# KiCad board PC110.kicad_pcb (continued)
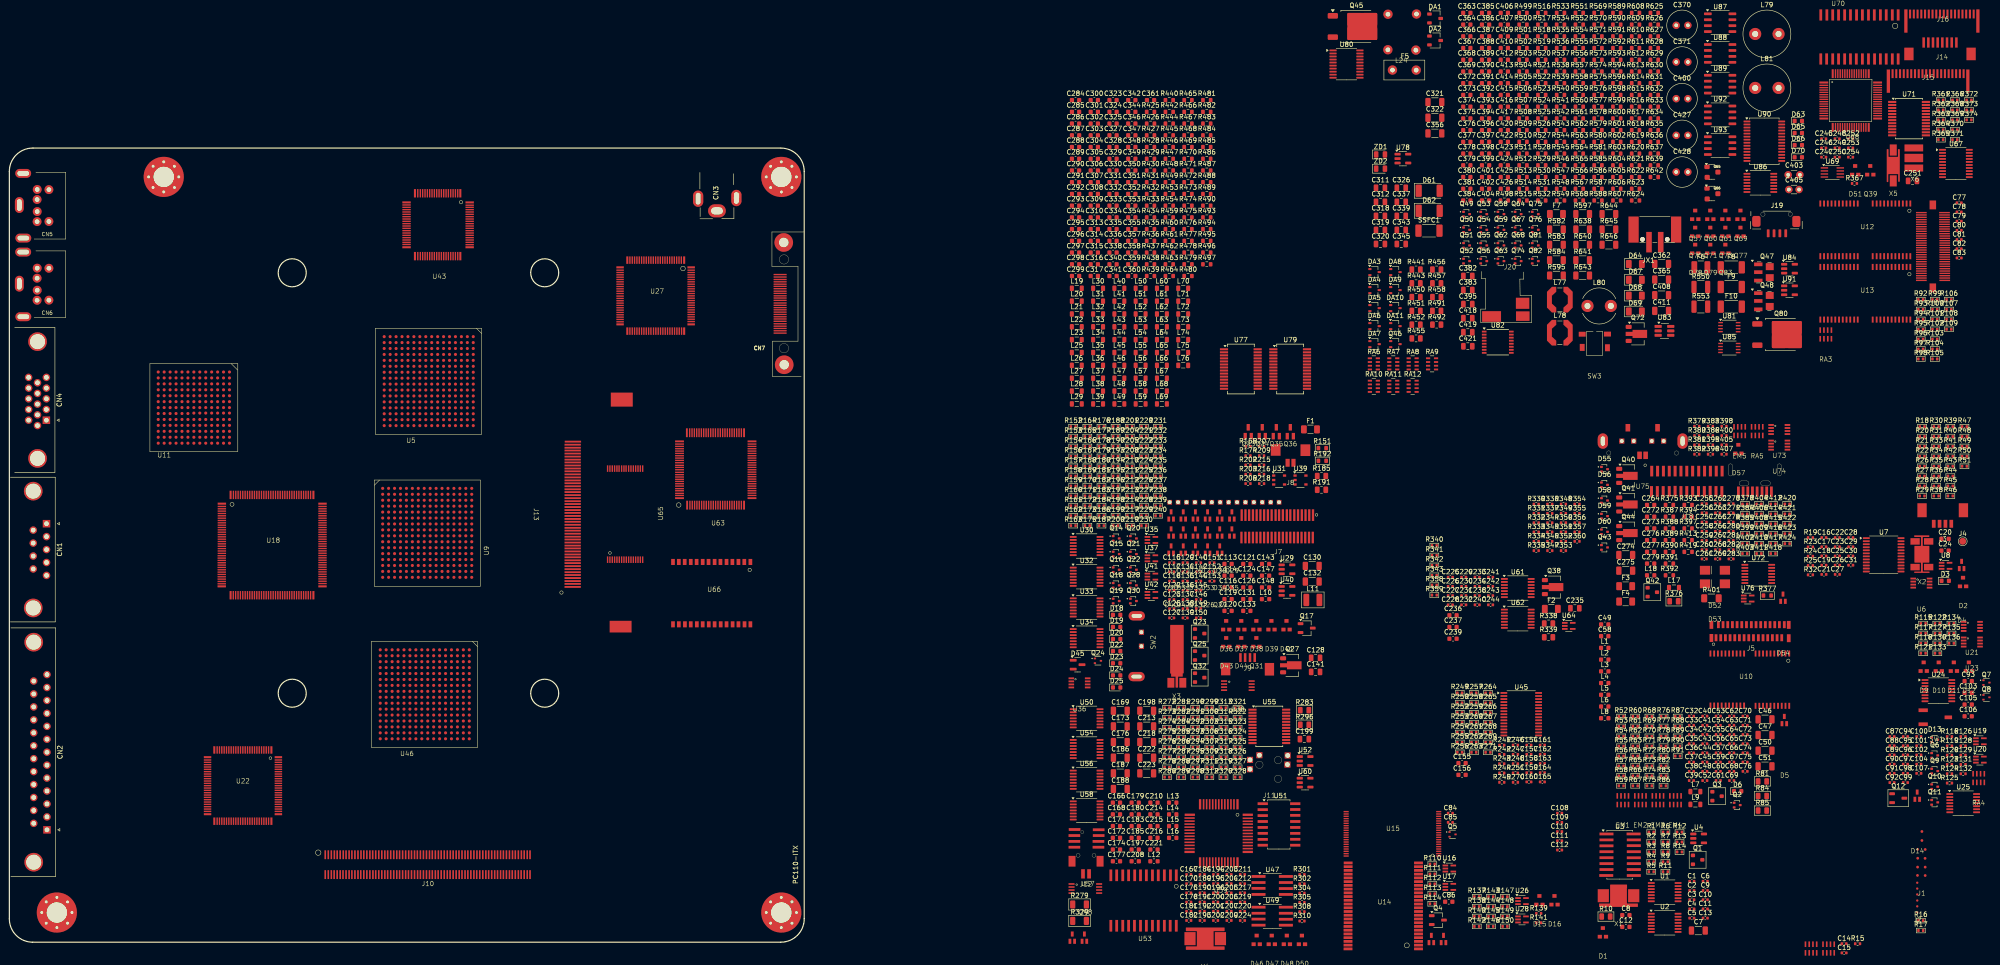
[diagram p0: board, top side]
## Footprints (pads in the part's own frame, mm; a bottom-side part is the same pattern mirrored in y, then rotated) (continued)
Pluto
  rect 0.45x1.6 smd: 1(6.1,7.15) 25(-6.1,7.15) 51(-6.1,-8.1) 75(6.1,-8.1)
  rect 0.3x1.6 smd: 2(5.5,7.15) 3(5,7.15) 4(4.5,7.15) 5(4,7.15) 6(3.5,7.15) 7(3,7.15) 8(2.5,7.15) 9(2,7.15) 10(1.5,7.15) 11(1,7.15) 12(0.5,7.15) 13(0,7.15) 14(-0.5,7.15) 15(-1,7.15) 16(-1.5,7.15) 17(-2,7.15) 18(-2.5,7.15) 19(-3,7.15) 20(-3.5,7.15) 21(-4,7.15) 22(-4.5,7.15) 23(-5,7.15) 24(-5.5,7.15) 52(-5.5,-8.1) 53(-5,-8.1) 54(-4.5,-8.1) 55(-4,-8.1) 56(-3.5,-8.1) 57(-3,-8.1) 58(-2.5,-8.1) 59(-2,-8.1) 60(-1.5,-8.1) 61(-1,-8.1) 62(-0.5,-8.1) 63(0,-8.1) 64(0.5,-8.1) 65(1,-8.1) 66(1.5,-8.1) 67(2,-8.1) 68(2.5,-8.1) 69(3,-8.1) 70(3.5,-8.1) 71(4,-8.1) 72(4.5,-8.1) 73(5,-8.1) 74(5.5,-8.1)
  rect 1.6x0.45 smd: 26(-7.55,5.6) 50(-7.55,-6.6) 76(7.6,-6.6) 100(7.6,5.6)
  rect 1.6x0.3 smd: 27(-7.55,5) 28(-7.55,4.5) 29(-7.55,4) 30(-7.55,3.5) 31(-7.55,3) 32(-7.55,2.5) 33(-7.55,2) 34(-7.55,1.5) 35(-7.55,1) 36(-7.55,0.5) 37(-7.55,0) 38(-7.55,-0.5) 39(-7.55,-1) 40(-7.55,-1.5) 41(-7.55,-2) 42(-7.55,-2.5) 43(-7.55,-3) 44(-7.55,-3.5) 45(-7.55,-4) 46(-7.55,-4.5) 47(-7.55,-5) 48(-7.55,-5.5) 49(-7.55,-6) 77(7.6,-6) 78(7.6,-5.5) 79(7.6,-5) 80(7.6,-4.5) 81(7.6,-4) 82(7.6,-3.5) 83(7.6,-3) 84(7.6,-2.5) 85(7.6,-2) 86(7.6,-1.5) 87(7.6,-1) 88(7.6,-0.5) 89(7.6,0) 90(7.6,0.5) 91(7.6,1) 92(7.6,1.5) 93(7.6,2) 94(7.6,2.5) 95(7.6,3) 96(7.6,3.5) 97(7.6,4) 98(7.6,4.5) 99(7.6,5)
PS2
  rect 0.6x2.2 smd: 1(3.6,-2.1) 2(2.6,-2.1) 3(1.6,-2.1) 4(0.55,-2.1) 5(-0.45,-2.1) 6(-1.45,-2.1) 7(-2.45,-2.1) 8(-3.45,-2.1)
PS2 Connector
  oval 1.905x3.4 hole 1x2.5: (-4.725,0.125)
  oval 3.4x1.905 hole 2.5x1: (-3.9,6.9) (-3.875,-6.95)
  round 1.905 hole 1: 1(-0.9,-1.275) 2(-0.925,1.3) 3(-0.925,-3.425) 4(-0.9,3.45) 5(1.6,-3.4) 6(1.6,3.425)
PSU-SW1
  rect 1.5x1.05 smd: 1(-2.6,1.95) 2(2.8,1.975)
  rect 1.05x1.5 smd: 3(2.8,-0.95) 4(-2.6,-0.875)
PSU_Connector
  rect 0.5x2.5 smd: 1(7.45,2.4) 2(6.65,2.4) 3(5.85,2.4) 4(5.05,2.4) 5(4.25,2.4) 6(3.45,2.4) 7(2.6,2.4) 8(1.85,2.4) 9(1,2.4) 10(0.2,2.4) 11(-0.55,2.4) 12(-1.4,2.4) 13(-2.2,2.4) 14(-3,2.4) 15(-3.8,2.4) 16(-4.6,2.4) 17(-5.4,2.4) 18(-6.2,2.4) 19(-7,2.4) 20(-7.8,2.4) 21(7.4,-2.4) 22(6.6,-2.4) 23(5.8,-2.4) 24(5,-2.4) 25(4.2,-2.4) 26(3.4,-2.4) 27(2.6,-2.4) 28(1.8,-2.4) 29(1,-2.4) 30(0.2,-2.4) 31(-0.6,-2.4) 32(-1.4,-2.4) 33(-2.2,-2.4) 34(-3,-2.4) 35(-3.8,-2.4) 36(-4.6,-2.4) 37(-5.4,-2.4) 38(-6.2,-2.4) 39(-7,-2.4) 40(-7.85,-2.4)
PSU_Jack
  rect 4.053x2.285 smd: 1(-3.749,-5.032)
  rect 2.876x2.393 smd: 2(2.888,-2.204)
  rect 2.9x2.05 smd: 3(2.925,-4.95)
QFN64
  rect 1.9x0.45 smd: 1(-6,3.6) 16(-6,-4.1) 33(5.5,-4.1) 48(5.5,3.6)
  rect 1.9x0.3 smd: 2(-6,3) 3(-6,2.5) 4(-6,2) 5(-6,1.5) 6(-6,1) 7(-6,0.5) 8(-6,0) 9(-6,-0.5) 10(-6,-1) 11(-6,-1.5) 12(-6,-2) 13(-6,-2.5) 14(-6,-3) 15(-6,-3.5) 34(5.5,-3.5) 35(5.5,-3) 36(5.5,-2.5) 37(5.5,-2) 38(5.5,-1.5) 39(5.5,-1) 40(5.5,-0.5) 41(5.5,0) 42(5.5,0.5) 43(5.5,1) 44(5.5,1.5) 45(5.5,2) 46(5.5,2.5) 47(5.5,3)
  rect 0.45x1.9 smd: 17(-4.1,-6) 32(3.6,-6) 49(3.6,5.5) 64(-4.1,5.5)
  rect 0.3x1.9 smd: 18(-3.5,-6) 19(-3,-6) 20(-2.5,-6) 21(-2,-6) 22(-1.5,-6) 23(-1,-6) 24(-0.5,-6) 25(0,-6) 26(0.5,-6) 27(1,-6) 28(1.5,-6) 29(2,-6) 30(2.5,-6) 31(3,-6) 50(3,5.5) 51(2.5,5.5) 52(2,5.5) 53(1.5,5.5) 54(1,5.5) 55(0.5,5.5) 56(0,5.5) 57(-0.5,5.5) 58(-1,5.5) 59(-1.5,5.5) 60(-2,5.5) 61(-2.5,5.5) 62(-3,5.5) 63(-3.5,5.5)
QFN-52
  rect 0.5x2.2 smd: 1(3.6,6.25) 13(-4.4,6.25) 27(-4.4,-6.2) 39(3.6,-6.2)
  rect 0.35x2.2 smd: 2(2.85,6.25) 3(2.2,6.25) 4(1.55,6.25) 5(0.9,6.25) 6(0.25,6.25) 7(-0.4,6.25) 8(-1.05,6.25) 9(-1.7,6.25) 10(-2.35,6.25) 11(-3,6.25) 12(-3.65,6.25) 28(-3.65,-6.2) 29(-3,-6.2) 30(-2.35,-6.2) 31(-1.7,-6.2) 32(-1.05,-6.2) 33(-0.4,-6.2) 34(0.25,-6.2) 35(0.9,-6.2) 36(1.55,-6.2) 37(2.2,-6.2) 38(2.85,-6.2)
  rect 2.2x0.5 smd: 14(-6.6,4) 26(-6.65,-3.95) 40(5.8,-3.95) 52(5.8,4)
  rect 2.2x0.35 smd: 15(-6.65,3.3) 16(-6.65,2.65) 17(-6.65,2) 18(-6.65,1.35) 19(-6.65,0.7) 20(-6.65,0.05) 21(-6.65,-0.6) 22(-6.65,-1.25) 23(-6.65,-1.9) 24(-6.65,-2.55) 25(-6.65,-3.25) 41(5.8,-3.25) 42(5.8,-2.6) 43(5.8,-1.95) 44(5.8,-1.3) 45(5.8,-0.65) 46(5.8,0) 47(5.8,0.65) 48(5.8,1.3) 49(5.8,2) 50(5.8,2.6) 51(5.8,3.25)
QFN-80
  rect 0.45x1.8 smd: 1(4.55,6.75) 20(-5.15,6.75) 41(-5.15,-6.7) 60(4.55,-6.7)
  rect 0.3x1.8 smd: 2(4,6.75) 3(3.5,6.75) 4(3,6.75) 5(2.5,6.75) 6(2,6.75) 7(1.5,6.75) 8(1,6.75) 9(0.5,6.75) 10(0,6.75) 11(-0.5,6.75) 12(-1,6.75) 13(-1.5,6.75) 14(-2,6.75) 15(-2.5,6.75) 16(-3,6.75) 17(-3.5,6.75) 18(-4,6.75) 19(-4.55,6.75) 42(-4.55,-6.7) 43(-4,-6.7) 44(-3.5,-6.7) 45(-3,-6.7) 46(-2.5,-6.7) 47(-2,-6.7) 48(-1.5,-6.7) 49(-1,-6.7) 50(-0.5,-6.7) 51(0,-6.7) 52(0.5,-6.7) 53(1,-6.7) 54(1.5,-6.7) 55(2,-6.7) 56(2.5,-6.7) 57(3,-6.7) 58(3.5,-6.7) 59(4,-6.7)
  rect 1.8x0.45 smd: 21(-6.95,4.8) 40(-6.95,-4.8) 61(6.55,-4.8) 80(6.55,4.8)
  rect 1.8x0.3 smd: 22(-6.95,4.25) 23(-6.95,3.75) 24(-6.95,3.25) 25(-6.95,2.75) 26(-6.95,2.25) 27(-6.95,1.75) 28(-6.95,1.25) 29(-6.95,0.75) 30(-6.95,0.25) 31(-6.95,-0.25) 32(-6.95,-0.75) 33(-6.95,-1.25) 34(-6.95,-1.75) 35(-6.95,-2.25) 36(-6.95,-2.75) 37(-6.95,-3.25) 38(-6.95,-3.75) 39(-6.95,-4.2) 62(6.55,-4.25) 63(6.55,-3.75) 64(6.55,-3.25) 65(6.55,-2.75) 66(6.55,-2.25) 67(6.55,-1.75) 68(6.55,-1.25) 69(6.55,-0.75) 70(6.55,-0.25) 71(6.55,0.25) 72(6.55,0.75) 73(6.55,1.25) 74(6.55,1.75) 75(6.55,2.25) 76(6.55,2.75) 77(6.55,3.25) 78(6.55,3.75) 79(6.55,4.2)
QFN-100
  rect 0.4x1.9 smd: 1(-6.6,-7.575) 25(5.575,-7.575) 51(5.575,7.925) 75(-6.65,7.925)
  rect 0.3x1.9 smd: 2(-6,-7.575) 3(-5.5,-7.575) 4(-5,-7.575) 5(-4.5,-7.575) 6(-4,-7.575) 7(-3.5,-7.575) 8(-3,-7.575) 9(-2.5,-7.575) 10(-2,-7.575) 11(-1.5,-7.575) 12(-1,-7.575) 13(-0.5,-7.575) 14(0,-7.575) 15(0.5,-7.575) 16(1,-7.575) 17(1.5,-7.575) 18(2,-7.575) 19(2.5,-7.575) 20(3,-7.575) 21(3.5,-7.575) 22(4,-7.575) 23(4.5,-7.575) 24(5,-7.575) 52(5,7.925) 53(4.5,7.925) 54(4,7.925) 55(3.5,7.925) 56(3,7.925) 57(2.5,7.925) 58(2,7.925) 59(1.5,7.925) 60(1,7.925) 61(0.5,7.925) 62(0,7.925) 63(-0.55,7.925) 64(-1.05,7.925) 65(-1.55,7.925) 66(-2.05,7.925) 67(-2.55,7.925) 68(-3.05,7.925) 69(-3.55,7.925) 70(-4.05,7.925) 71(-4.55,7.925) 72(-5.05,7.925) 73(-5.55,7.925) 74(-6.05,7.925)
  rect 1.9x0.4 smd: 26(7.275,-6.075) 50(7.275,6.075) 76(-8.225,6.075) 100(-8.225,-6.075)
  rect 1.9x0.3 smd: 27(7.275,-5.5) 28(7.275,-5) 29(7.275,-4.5) 30(7.275,-4) 31(7.275,-3.5) 32(7.275,-3) 33(7.275,-2.5) 34(7.275,-2) 35(7.275,-1.5) 36(7.275,-1) 37(7.275,-0.5) 38(7.275,0) 39(7.275,0.5) 40(7.275,1) 41(7.275,1.5) 42(7.275,2) 43(7.275,2.5) 44(7.275,3) 45(7.275,3.5) 46(7.275,4) 47(7.275,4.5) 48(7.275,5) 49(7.275,5.5) 77(-8.225,5.5) 78(-8.225,5) 79(-8.225,4.5) 80(-8.225,4) 81(-8.225,3.5) 82(-8.225,3) 83(-8.225,2.5) 84(-8.225,2) 85(-8.225,1.5) 86(-8.225,0.95) 87(-8.225,0.5) 88(-8.225,0) 89(-8.225,-0.55) 90(-8.225,-1.05) 91(-8.225,-1.55) 92(-8.225,-2.05) 93(-8.225,-2.5) 94(-8.225,-3) 95(-8.225,-3.5) 96(-8.225,-4.05) 97(-8.225,-4.5) 98(-8.225,-5.05) 99(-8.225,-5.5)
R-array
  rect 0.35x1.2 smd: 1(1.225,1) 2(0.425,1) 3(-0.375,1) 4(-1.175,1) 5(-1.175,-0.85) 6(-0.375,-0.85) 7(0.45,-0.85) 8(1.225,-0.85)
R_0402_1005Metric
  rrect 0.54x0.64 smd: 1(-0.51,0) 2(0.51,0)
R_0603_1608Metric
  rrect 0.8x0.95 smd: 1(-0.825,0) 2(0.825,0)
R_0805_2012Metric
  rrect 1.025x1.4 smd: 1(-0.912,0) 2(0.912,0)
R_1206_3216Metric
  rrect 1.125x1.75 smd: 1(-1.462,0) 2(1.462,0)
R_1206_3216Metric_Pad1.30x1.75mm_HandSolder
  rrect 1.3x1.75 smd: 1(-1.55,0) 2(1.55,0)
R_1210_3225Metric
  rrect 1.125x2.65 smd: 1(-1.462,0) 2(1.462,0)
R_Array_Concave_4x0603
  rect 0.9x0.4 smd: 1(-0.85,1.2) 2(-0.85,0.4) 3(-0.85,-0.4) 4(-0.85,-1.2) 5(0.85,-1.2) 6(0.85,-0.4) 7(0.85,0.4) 8(0.85,1.2)
RAM Module
  rect 2.3x0.3 smd: 1(2.5,7.4) 2(2.5,6.9) 3(2.5,6.4) 4(2.5,5.9) 5(2.5,5.4) 6(2.5,4.9) 7(2.5,4.4) 8(2.5,3.9) 9(2.5,3.4) 10(2.5,2.9) 11(2.55,2.4) 12(2.55,1.9) 13(2.55,1.4) 14(2.55,0.9) 15(2.55,0.4) 16(2.55,-0.1) 17(2.55,-0.6) 18(2.55,-1.1) 19(2.55,-1.6) 20(2.55,-2.1) 21(2.55,-2.6) 22(2.55,-3.1) 23(2.55,-3.6) 24(2.55,-4.1) 25(2.55,-4.6) 26(2.55,-5.1) 27(2.55,-5.6) 28(2.55,-6.1) 29(2.55,-6.6) 30(2.55,-7.1) 31(-2.45,-7.1) 32(-2.45,-6.6) 33(-2.45,-6.1) 34(-2.45,-5.6) 35(-2.45,-5.1) 36(-2.45,-4.6) 37(-2.45,-4.1) 38(-2.45,-3.6) 39(-2.45,-3.1) 40(-2.45,-2.6) 41(-2.45,-2.1) 42(-2.45,-1.6) 43(-2.45,-1.1) 44(-2.45,-0.6) 45(-2.45,-0.1) 46(-2.45,0.4) 47(-2.45,0.9) 48(-2.45,1.4) 49(-2.45,1.9) 50(-2.45,2.4) 51(-2.45,2.9) 52(-2.45,3.4) 53(-2.45,3.9) 54(-2.45,4.4) 55(-2.45,4.9) 56(-2.45,5.4) 57(-2.45,5.9) 58(-2.45,6.4) 59(-2.45,6.9) 60(-2.45,7.4)
  rect 1.4x1.9 smd: 61(0,9.05) 62(0,-8.7)
RAMchip
  rect 0.4x1.3 smd: 1(9.225,5.475) 2(8.425,5.475) 3(7.625,5.475) 4(6.825,5.475) 5(6.025,5.475) 6(5.225,5.475) 7(4.425,5.475) 8(3.625,5.475) 9(2.825,5.475) 10(2.025,5.475) 11(1.175,5.475) 12(-2.025,5.475) 13(-2.825,5.475) 14(-3.625,5.475) 15(-4.425,5.475) 16(-5.225,5.475) 17(-6.025,5.475) 18(-6.825,5.475) 19(-7.625,5.475) 20(-8.425,5.475) 21(-9.225,5.475) 22(-10.025,5.475) 23(-10.025,-5.8) 24(-9.225,-5.8) 25(-8.425,-5.8) 26(-7.625,-5.8) 27(-6.825,-5.8) 28(-6.025,-5.8) 29(-5.225,-5.8) 30(-4.425,-5.8) 31(-3.625,-5.8) 32(-2.775,-5.8) 33(-2.025,-5.8) 34(1.175,-5.8) 35(2.025,-5.8) 36(2.825,-5.8) 37(3.625,-5.8) 38(4.425,-5.8) 39(5.225,-5.8) 40(6.025,-5.8) 41(6.825,-5.8) 42(7.625,-5.8) 43(8.425,-5.8) 44(9.225,-5.8)
SanDisk
  rect 0.8x1.3 smd: 1(7.65,6.375) 2(6.35,6.375) 3(5.1,6.375) 4(3.8,6.375) 5(2.55,6.375) 6(1.25,6.375) 7(0,6.375) 8(-1.3,6.375) 9(-2.55,6.375) 10(-3.85,6.375) 11(-5.1,6.375) 12(-6.4,6.375) 13(-7.65,6.375) 14(-8.9,6.375) 15(-8.9,-6.975) 16(-7.65,-6.975) 17(-6.35,-6.975) 18(-5.1,-6.975) 19(-3.8,-6.975) 20(-2.55,-6.975) 21(-1.25,-6.975) 22(0,-6.975) 23(1.3,-6.975) 24(2.55,-6.975) 25(3.85,-6.975) 26(5.1,-6.975) 27(6.4,-6.975) 28(7.65,-6.975)
SOIC-8
  rect 3x0.6 smd: 1(-2.95,1.95) 2(-2.95,0.65) 3(-2.95,-0.6) 4(-2.95,-1.9) 5(2.9,-1.905) 6(2.9,-0.635) 7(2.9,0.65) 8(2.9,1.95)
SOIC-8-narrow
  rect 2.5x0.6 smd: 1(-2.8,1.8) 2(-2.85,0.5) 3(-2.85,-0.75) 4(-2.85,-2) 5(2.3,-2) 6(2.3,-0.75) 7(2.35,0.5) 8(2.35,1.75)
soic-8-small
  rect 1.3x0.35 smd: 1(-2.95,0.95) 2(-2.95,0.3) 3(-2.95,-0.35) 4(-2.95,-1) 5(2.95,-1) 6(2.95,-0.35) 7(2.95,0.3) 8(2.95,0.95)
SOIC-16W
  rect 3x0.6 smd: 1(-2.85,4.445) 2(-2.85,3.175) 3(-2.85,1.905) 4(-2.85,0.65) 5(-2.85,-0.635) 6(-2.85,-1.9) 7(-2.85,-3.175) 8(-2.9,-4.445) 9(3,-4.45) 10(3,-3.175) 11(3,-1.9) 12(3,-0.65) 13(3,0.65) 14(3,1.95) 15(3,3.175) 16(2.95,4.45)
SOP48
  rect 1.9x0.6 smd: 1(7.3,-9.55) 2(7.3,-8.75) 3(7.3,-7.95) 4(7.3,-7.15) 5(7.3,-6.35) 6(7.3,-5.55) 7(7.3,-4.75) 8(7.3,-3.95) 9(7.3,-3.15) 10(7.3,-2.35) 11(7.3,-1.55) 12(7.3,-0.75) 13(7.3,0.05) 14(7.3,0.85) 15(7.3,1.65) 16(7.3,2.45) 17(7.3,3.25) 18(7.3,4.05) 19(7.3,4.85) 20(7.3,5.65) 21(7.3,6.45) 22(7.3,7.25) 23(7.3,8.05) 24(7.3,8.85) 25(-7.75,8.85) 26(-7.75,8.05) 27(-7.75,7.25) 28(-7.75,6.45) 29(-7.75,5.65) 30(-7.75,4.85) 31(-7.75,4.05) 32(-7.75,3.25) 33(-7.75,2.45) 34(-7.75,1.65) 35(-7.75,0.85) 36(-7.75,0.05) 37(-7.75,-0.75) 38(-7.75,-1.55) 39(-7.75,-2.35) 40(-7.75,-3.15) 41(-7.75,-3.95) 42(-7.775,-4.75) 43(-7.775,-5.55) 44(-7.775,-6.35) 45(-7.775,-7.15) 46(-7.775,-7.95) 47(-7.775,-8.75) 48(-7.775,-9.55)
SOP-8_3.9x4.9mm_P1.27mm
  rrect 1.65x0.6 smd: 1(-2.625,1.905) 2(-2.625,0.635) 3(-2.625,-0.635) 4(-2.625,-1.905) 5(2.625,-1.905) 6(2.625,-0.635) 7(2.625,0.635) 8(2.625,1.905)
SOP-16
  rect 2.2x0.6 smd: 1(-3.45,4.45) 2(-3.45,3.175) 3(-3.45,1.9) 4(-3.45,0.635) 5(-3.45,-0.635) 6(-3.45,-1.905) 7(-3.45,-3.2) 8(-3.45,-4.445) 9(3.5,-4.445) 10(3.5,-3.175) 11(3.5,-1.905) 12(3.5,-0.635) 13(3.5,0.635) 14(3.5,1.95) 15(3.5,3.2) 16(3.5,4.45)
SOP-24
  rect 0.6x2.5 smd: 1(6.7,4.75) 2(5.45,4.75) 3(4.15,4.75) 4(2.85,4.75) 5(1.6,4.75) 6(0.3,4.75) 7(-0.95,4.75) 8(-2.2,4.75) 9(-3.5,4.75) 10(-4.75,4.75) 11(-6.05,4.75) 12(-7.3,4.75) 13(-7.3,-6.05) 14(-6.05,-6.05) 15(-4.75,-6.05) 16(-3.5,-6.05) 17(-2.25,-6.05) 18(-0.95,-6.05) 19(0.3,-6.05) 20(1.6,-6.05) 21(2.85,-6.05) 22(4.15,-6.05) 23(5.4,-6.05) 24(6.7,-6.05)
SOT-23
  rrect 0.9x0.8 smd: 1(-1,0.95) 2(-1,-0.95) 3(1,0)
SOT-23#2
  rrect 1.475x0.6 smd: 1(-0.938,0.95) 2(-0.938,-0.95) 3(0.938,0)
SOT-23-5
  rrect 1.325x0.6 smd: 1(-1.137,0.95) 2(-1.137,0) 3(-1.137,-0.95) 4(1.137,-0.95) 5(1.137,0.95)
SOT-23-6_Handsoldering
  rrect 1.56x0.65 smd: 1(-1.35,0.95) 2(-1.35,0) 3(-1.35,-0.95) 4(1.35,-0.95) 5(1.35,0) 6(1.35,0.95)
SOT-23-PC110
  rrect 1.15x0.975 smd: 1(-1.025,1.087)
  rrect 1.125x1.075 smd: 2(-0.988,-1.163)
  rrect 1.1x1.075 smd: 3(1.3,-0.037)
SOT-23W
  rrect 1x0.7 smd: 1(-1.2,0.95) 2(-1.2,-0.95) 3(1.2,0)
SOT-89-3
  rrect 1.3x0.9 smd: 1(-1.95,1.5) 3(-1.95,-1.5)
  custom 4.6x1.733 smd: 2(-1.863,0)
SOT-323_SC-70
  rrect 0.7x0.45 smd: 1(-1,0.65) 2(-1,-0.65) 3(1,0)
SOT-353
  rect 1.2x0.4 smd: 1(-0.85,0.65) 2(-0.85,0) 3(-0.85,-0.65) 4(0.85,-0.65) 5(0.85,0.65)
SOT-416
  rrect 0.6x0.5 smd: 1(-0.65,0.5) 2(-0.65,-0.5) 3(0.65,0)
SOT-416L
  rect 0.6x1.1 smd: 1(0.45,-0.75) 2(-0.55,-0.75) 3(-0.05,0.8)
SOT-523
  rrect 0.51x0.4 smd: 1(-0.645,0.5) 2(-0.645,-0.5) 3(0.645,0)
SOT-powerT
  rect 1.8x0.8 smd: 1(-1.525,1.675) 2(-1.525,0) 3(-1.525,-1.8)
  rect 1.7x1.5 smd: 4(0.925,-1.175) 5(0.925,1.175)
SPKR
  rect 0.8x2 smd: 1(0.65,-2.2) 2(-0.65,-2.2)
  rect 1.5x2.3 smd: 3(3,0.5) 4(-3,0.5)
sso-8
  rect 1.2x0.4 smd: 1(-1.75,0.95) 2(-1.75,0.3) 3(-1.75,-0.35) 4(-1.75,-1) 5(1.75,-1) 6(1.75,-0.35) 7(1.75,0.3) 8(1.75,0.95)
SSOP-8-PSU
  rect 1x0.3 smd: 1(-1.85,0.975) 2(-1.875,0.325) 3(-1.875,-0.325) 4(-1.875,-0.95) 5(1.9,-0.975) 6(1.9,-0.325) 7(1.9,0.325) 8(1.9,0.975)
SSOP-8_2.95x2.8mm_P0.65mm
  rect 1.6x0.3 smd: 1(-1.7,0.975) 2(-1.7,0.325) 3(-1.7,-0.325) 4(-1.7,-0.975) 5(1.7,-0.975) 6(1.7,-0.325) 7(1.7,0.325) 8(1.7,0.975)
SSOP-16_4.4x5.2mm_P0.65mm
  rect 1x0.4 smd: 1(-2.9,2.275) 2(-2.9,1.625) 3(-2.9,0.975) 4(-2.9,0.325) 5(-2.9,-0.325) 6(-2.9,-0.975) 7(-2.9,-1.625) 8(-2.9,-2.275) 9(2.9,-2.275) 10(2.9,-1.625) 11(2.9,-0.975) 12(2.9,-0.325) 13(2.9,0.325) 14(2.9,0.975) 15(2.9,1.625) 16(2.9,2.275)
SSOP-20_4.4x6.5mm_P0.65mm
  rrect 1.55x0.4 smd: 1(-2.875,2.925) 2(-2.875,2.275) 3(-2.875,1.625) 4(-2.875,0.975) 5(-2.875,0.325) 6(-2.875,-0.325) 7(-2.875,-0.975) 8(-2.875,-1.625) 9(-2.875,-2.275) 10(-2.875,-2.925) 11(2.875,-2.925) 12(2.875,-2.275) 13(2.875,-1.625) 14(2.875,-0.975) 15(2.875,-0.325) 16(2.875,0.325) 17(2.875,0.975) 18(2.875,1.625) 19(2.875,2.275) 20(2.875,2.925)
SSOP-24_5.3x8.2mm_P0.65mm
  rect 1.75x0.45 smd: 1(-3.6,3.575) 2(-3.6,2.925) 3(-3.6,2.275) 4(-3.6,1.625) 5(-3.6,0.975) 6(-3.6,0.325) 7(-3.6,-0.325) 8(-3.6,-0.975) 9(-3.6,-1.625) 10(-3.6,-2.275) 11(-3.6,-2.925) 12(-3.6,-3.575) 13(3.6,-3.575) 14(3.6,-2.925) 15(3.6,-2.275) 16(3.6,-1.625) 17(3.6,-0.975) 18(3.6,-0.325) 19(3.6,0.325) 20(3.6,0.975) 21(3.6,1.625) 22(3.6,2.275) 23(3.6,2.925) 24(3.6,3.575)
SSOP-28
  rect 0.6x2.4 smd: 1(7.85,5.25) 2(6.6,5.25) 3(5.3,5.25) 4(4.05,5.25) 5(2.75,5.25) 6(1.5,5.25) 7(0.2,5.25) 8(-1.05,5.25) 9(-2.35,5.25) 10(-3.6,5.25) 11(-4.9,5.25) 12(-6.15,5.25) 13(-7.4,5.25) 14(-8.7,5.25) 15(-8.7,-4.175) 16(-7.45,-4.175) 17(-6.15,-4.175) 18(-4.9,-4.175) 19(-3.6,-4.175) 20(-2.35,-4.175) 21(-1.1,-4.175) 22(0.2,-4.175) 23(1.5,-4.175) 24(2.8,-4.175) 25(4.05,-4.175) 26(5.3,-4.175) 27(6.6,-4.175) 28(7.85,-4.175)
SSOP-28_5.3x10.2mm_P0.65mm
  rect 1.75x0.45 smd: 1(-3.6,4.225) 2(-3.6,3.575) 3(-3.6,2.925) 4(-3.6,2.275) 5(-3.6,1.625) 6(-3.6,0.975) 7(-3.6,0.325) 8(-3.6,-0.325) 9(-3.6,-0.975) 10(-3.6,-1.625) 11(-3.6,-2.275) 12(-3.6,-2.925) 13(-3.6,-3.575) 14(-3.6,-4.225) 15(3.6,-4.225) 16(3.6,-3.575) 17(3.6,-2.925) 18(3.6,-2.275) 19(3.6,-1.625) 20(3.6,-0.975) 21(3.6,-0.325) 22(3.6,0.325) 23(3.6,0.975) 24(3.6,1.625) 25(3.6,2.275) 26(3.6,2.925) 27(3.6,3.575) 28(3.6,4.225)
Switch
  rect 1.1x1.1 hole 0.8: 1(0.95,3.25) 2(0.95,0.25)
  oval 3.5x2 hole 2.2x0.8: 3(-0.1,-6.25) 3(-0.05,6.75)
TerminalBlock_Phoenix_PTSM-0,5-4-HV-2.5-SMD_1x04-1MP_P2.50mm_Vertical
  round 1 hole 1 unplated: (-2.65,-1.05) (2.65,-1.05)
  rect 1.2x4.4 smd: 1(-1.25,-1.65) 2(1.25,-1.65)
  rect 2.2x5.6 smd: MP(-4.55,1.05) MP(4.55,1.05)
TestPoint_Pad_D1.5mm
  round 1.5 smd: 1(0,0)
TO-252-2
  rrect 2.2x1.2 smd: 1(-5.04,2.28) 3(-5.04,-2.28)
  rrect 3.05x2.75 smd: 2(-0.415,1.525) 2(-0.415,-1.525) 2(2.935,1.525) 2(2.935,-1.525)
  rrect 6.4x5.8 smd: 2(1.26,0)
TSOP-5_1.65x3.05mm_P0.95mm
  rect 0.7x0.51 smd: 1(-1.16,0.95) 2(-1.16,0) 3(-1.16,-0.95) 4(1.16,-0.95) 5(1.16,0.95)
TSOT-23
  rrect 1.22x0.65 smd: 1(-1.31,0.95) 2(-1.31,-0.95) 3(1.31,0)
TSOT-23#2
  rect 0.7x1.4 smd: 1(0.65,-0.9) 2(0,1) 3(-0.65,-0.9)
TSSOP-14_4.4x5mm_P0.65mm
  rrect 1.475x0.4 smd: 1(-2.862,1.95) 2(-2.862,1.3) 3(-2.862,0.65) 4(-2.862,0) 5(-2.862,-0.65) 6(-2.862,-1.3) 7(-2.862,-1.95) 8(2.862,-1.95) 9(2.862,-1.3) 10(2.862,-0.65) 11(2.862,0) 12(2.862,0.65) 13(2.862,1.3) 14(2.862,1.95)
TSSOP-16_4.4x5mm_P0.65mm
  rrect 1.475x0.4 smd: 1(-2.862,2.275) 2(-2.862,1.625) 3(-2.862,0.975) 4(-2.862,0.325) 5(-2.862,-0.325) 6(-2.862,-0.975) 7(-2.862,-1.625) 8(-2.862,-2.275) 9(2.862,-2.275) 10(2.862,-1.625) 11(2.862,-0.975) 12(2.862,-0.325) 13(2.862,0.325) 14(2.862,0.975) 15(2.862,1.625) 16(2.862,2.275)
TSSOP-20_4.4x6.5mm_P0.65mm
  rrect 1.475x0.4 smd: 1(-2.862,2.925) 2(-2.862,2.275) 3(-2.862,1.625) 4(-2.862,0.975) 5(-2.862,0.325) 6(-2.862,-0.325) 7(-2.862,-0.975) 8(-2.862,-1.625) 9(-2.862,-2.275) 10(-2.862,-2.925) 11(2.862,-2.925) 12(2.862,-2.275) 13(2.862,-1.625) 14(2.862,-0.975) 15(2.862,-0.325) 16(2.862,0.325) 17(2.862,0.975) 18(2.862,1.625) 19(2.862,2.275) 20(2.862,2.925)
TSSOP-24_6.1x7.8mm_P0.65mm
  rrect 1.475x0.4 smd: 1(-3.712,3.575) 2(-3.712,2.925) 3(-3.712,2.275) 4(-3.712,1.625) 5(-3.712,0.975) 6(-3.712,0.325) 7(-3.712,-0.325) 8(-3.712,-0.975) 9(-3.712,-1.625) 10(-3.712,-2.275) 11(-3.712,-2.925) 12(-3.712,-3.575) 13(3.712,-3.575) 14(3.712,-2.925) 15(3.712,-2.275) 16(3.712,-1.625) 17(3.712,-0.975) 18(3.712,-0.325) 19(3.712,0.325) 20(3.712,0.975) 21(3.712,1.625) 22(3.712,2.275) 23(3.712,2.925) 24(3.712,3.575)
TSSOP-28_6.1x9.7mm_P0.65mm
  rrect 1.475x0.4 smd: 1(-3.712,4.225) 2(-3.712,3.575) 3(-3.712,2.925) 4(-3.712,2.275) 5(-3.712,1.625) 6(-3.712,0.975) 7(-3.712,0.325) 8(-3.712,-0.325) 9(-3.712,-0.975) 10(-3.712,-1.625) 11(-3.712,-2.275) 12(-3.712,-2.925) 13(-3.712,-3.575) 14(-3.712,-4.225) 15(3.712,-4.225) 16(3.712,-3.575) 17(3.712,-2.925) 18(3.712,-2.275) 19(3.712,-1.625) 20(3.712,-0.975) 21(3.712,-0.325) 22(3.712,0.325) 23(3.712,0.975) 24(3.712,1.625) 25(3.712,2.275) 26(3.712,2.925) 27(3.712,3.575) 28(3.712,4.225)
TSSOP-30_6.1x9.7mm_P0.65mm
  rrect 1.475x0.4 smd: 1(-3.712,4.55) 2(-3.712,3.9) 3(-3.712,3.25) 4(-3.712,2.6) 5(-3.712,1.95) 6(-3.712,1.3) 7(-3.712,0.65) 8(-3.712,0) 9(-3.712,-0.65) 10(-3.712,-1.3) 11(-3.712,-1.95) 12(-3.712,-2.6) 13(-3.712,-3.25) 14(-3.712,-3.9) 15(-3.712,-4.55) 16(3.712,-4.55) 17(3.712,-3.9) 18(3.712,-3.25) 19(3.712,-2.6) 20(3.712,-1.95) 21(3.712,-1.3) 22(3.712,-0.65) 23(3.712,0) 24(3.712,0.65) 25(3.712,1.3) 26(3.712,1.95) 27(3.712,2.6) 28(3.712,3.25) 29(3.712,3.9) 30(3.712,4.55)
XTAL-1
  rect 2.4x2.8 smd: 1(-3.25,0.1) 2(3.25,0.1)
  custom 8.3x4.8 smd: 3(0.05,0)
XTAL-2
  rect 1.5x2.1 smd: 1(1.3,-5.55) 2(-1.25,-5.55)
  custom 2.9x13.45 smd: 3(0.05,0)
XTAL-3
  rect 2x1.4 smd: 1(1.45,2.75) 2(1.45,-2.75) 3(-1.45,-2.75) 4(-1.45,2.75)
  custom 3.3x8.05 smd: 5(0,0)
XTAL-4
  rect 4x1.5 smd: 1(-0.15,2.2) 2(-0.15,-2.1)
  custom 4x1.8 smd: 3(-0.1,0)
XTAL-5
  rect 1.5x2.4 smd: 1(0,-3.2) 2(0,3.4)
  custom 2.8x7.05 smd: 3(0,0)
XTAL-6
  rect 2.4x2.8 smd: 1(-3.25,0.1) 2(3.25,0.1)
  custom 8.3x4.8 smd: 3(0.05,0)

## Nets
/PCMCIA/A5VDET: J10.19 U46.P3
GND: C1.1 C2.1 C3.1 C4.1 C5.2 C7.1 C8.1 C9.1 C10.1 C11.1 C12.2 C13.2 C14.1 C15.1 C16.1 C17.2 C18.2 C19.2 C20.2 C21.1 C22.2 C23.1 C24.2 C25.1 C26.2 C27.2 C28.1 C29.1 C30.2 C31.2 C32.2 C33.1 C34.2 C35.2 C36.2 C37.2 C38.1 C39.2 C40.2 C41.1 C42.1 C43.2 C44.2 C45.2 C46.1 C47.1 C48.2 C49.2 C50.1 C51.1 C52.2 C53.2 C54.1 C55.1 C56.2 C57.2 C58.2 C59.1 C60.2 C61.2 C62.2 C63.2 C64.2 C65.2 C66.2 C67.2 C68.2 C69.2 C70.2 C71.2 C72.2 C73.2 C74.2 C75.2 C76.2 C77.2 C78.2 C79.2 C80.1 C81.1 C82.1 C83.1 C84.2 C85.1 C86.2 C87.1 C88.1 C89.1 C90.2 C91.1 C92.1 C93.1 C94.1 C95.2 C96.2 C97.1 C98.1 C99.2 C100.1 C101.1 C102.1 C104.1 C105.1 C107.1 C108.2 C109.2 C110.2 C111.2 C112.2 C113.2 C114.1 C115.1 C116.2 C117.2 C118.2 C119.1 C120.1 C121.1 C122.2 C123.2 C124.1 C125.1 C128.1 C129.2 C130.2 C131.1 C132.2 C136.1 C137.1 C140.2 C141.2 C142.1 C143.2 C144.2 C145.2 C146.1 C148.1 C149.1 C150.1 C151.2 C152.2 C153.1 C154.2 C155.1 C156.2 C157.2 C158.2 C159.2 C160.1 C161.2 C162.2 C163.1 C164.2 C165.2 C166.1 C169.2 C170.1 C173.2 C175.1 C177.1 C178.1 C180.2 C182.2 C185.2 C189.2 C190.2 C191.1 C192.1 C193.1 C194.2 C195.2 C198.1 C199.2 C201.1 C202.1 C204.1 C205.2 C206.1 C207.1 C208.1 C209.2 C211.2 C212.1 C213.2 C216.2 C217.2 C218.1 C219.1 C220.1 C221.2 C222.2 C223.2 C224.1 C225.2 C226.2 C227.2 C228.2 C230.1 C231.2 C232.2 C233.1 C234.1 C235.1 C236.2 C237.2 C239.1 C242.1 C243.1 C245.1 C246.2 C247.2 C248.1 C249.1 C250.2 C251.2 C252.2 C253.1 C254.2 C255.2 C256.2 C257.2 C258.2 C259.1 C260.1 C261.1 C262.2 C263.1 C265.1 C266.1 C267.2 C268.2 C269.2 C270.1 C271.2 C273.1 C274.1 C275.2 C276.1 C277.1 C278.2 C280.2 C281.1 C282.2 C283.2 C284.2 C285.1 C286.2 C287.2 C288.1 C290.2 C291.2 C292.1 C293.2 C294.1 C296.2 C297.1 C298.2 C299.1 C301.2 C302.1 C303.1 C304.1 C305.1 C306.1 C307.1 C308.1 C309.1 C310.1 C313.1 C314.1 C315.1 C316.1 C317.1 C319.2 C321.2 C322.2 C323.2 C324.2 C325.2 C327.1 C328.2 C329.2 C330.2 C331.1 C332.1 C333.1 C334.1 C335.1 C336.2 C337.1 C338.1 C339.1 C340.2 C341.2 C342.2 C343.2 C344.1 C345.2 C346.1 C347.1 C348.1 C349.1 C350.1 C351.2 C352.1 C353.1 C354.2 C355.2 C356.1 C357.2 C358.1 C359.1 C360.2 C361.1 C362.2 C365.2 C366.2 C367.2 C368.2 C369.1 C370.1 C371.2 C374.2 C376.1 C378.2 C380.2 C381.1 C382.1 C383.1 C384.2 C388.1 C390.2 C393.1 C395.2 C397.2 C398.2 C400.1 C401.2 C403.1 C404.1 C405.1 C407.1 C408.1 C411.1 C412.1 C413.1 C416.1 C417.2 C418.2 C419.1 C420.1 C421.1 C422.2 C423.2 C425.1 C427.2 C428.1 CN1.5 CN4.5 CN4.6 CN4.7 CN4.8 CN5.3 CN6.3 CN7.1 CN7.3 CN7.4 CN7.10 D3.2 D6.2 D19.2 D20.2 D47.1 D47.3 D49.1 D49.2 D55.1 D56.1 D58.1 D59.1 D60.1 D64.1 D67.1 DA3.2 DA6.1 DA7.1 DA8.1 DA9.1 DA10.1 DA11.2 J3.2 J6.10 J6.26 J6.36 J6.55 J7.7 J7.9 J7.24 J7.29 J7.32 J8.2 J10.1 J10.2 J10.3 J10.68 J10.69 J10.70 J10.71 J10.72 J10.73 J10.138 J10.139 J10.140 J13.1 J13.15 J13.16 J13.17 J13.19 J13.21 J13.23 J13.27 J13.29 J13.31 J13.33 J13.50 J15.2 J16.9 J18.1 J18.13 J18.14 J18.26 J19.3 L9.2 L13.1 Q2.2 Q5.2 Q6.2 Q7.2 Q8.2 Q9.2 Q10.2 Q11.2 Q13.1 Q14.2 Q15.2 Q16.2 Q18.2 Q19.2 Q21.2 Q26.1 Q27.1 Q28.2 Q30.2 Q34.1 Q36.1 Q37.1 Q43.2 Q46.2 Q47.2 Q48.2 Q49.2 Q50.2 Q53.2 Q54.2 Q56.2 Q62.2 Q63.2 Q64.2 Q65.2 Q69.2 Q70.1 Q70.3 Q72.2 Q75.2 Q76.2 Q79.1 Q80.1 Q82.3 Q83.1 Q83.3 R12.2 R13.2 R15.1 R22.2 R28.2 R33.2 R35.2 R37.2 R51.2 R56.2 R57.2 R58.2 R59.1 R60.2 R61.1 R62.2 R63.2 R64.1 R65.2 R66.2 R67.1 R68.1 R69.1 R70.1 R71.1 R72.1 R73.1 R74.2 R80.2 R81.2 R84.2 R85.2 R86.1 R95.1 R96.2 R97.1 R98.1 R110.1 R111.2 R121.2 R126.1 R138.2 R158.1 R159.1 R161.2 R162.2 R164.1 R186.2 R187.2 R195.2 R196.2 R197.2 R198.2 R207.1 R209.1 R220.2 R234.1 R236.1 R250.2 R251.1 R252.1 R273.2 R291.1 R292.1 R299.2 R300.2 R308.2 R309.1 R312.2 R318.2 R324.2 R328.2 R341.2 R343.1 R359.1 R368.1 R371.1 R376.1 R377.1 R413.2 R419.2 R474.1 R475.1 R484.2 R497.1 R500.2 R510.2 R513.1 R516.1 R522.2 R526.2 R529.1 R531.2 R534.2 R536.2 R542.2 R546.2 R550.1 R552.2 R553.1 R559.1 R561.1 R584.1 R588.2 R589.1 R594.1 R596.1 R598.1 R599.2 R600.1 R605.2 R618.2 R620.1 R622.1 R631.2 R636.2 R638.2 R641.2 RA1.5 RA1.6 RA1.7 RA1.8 RA2.5 RA2.6 RA2.7 RA2.8 U1.7 U2.1 U2.4 U2.7 U2.10 U2.13 U3.5 U3.8 U3.12 U3.15 U4.3 U5.F4 U5.F5 U5.F6 U5.F7 U5.F8 U5.F9 U5.F10 U5.F11 U5.F12 U5.F13 U5.G4 U5.G5 U5.G6 U5.G7 U5.G8 U5.G9 U5.G10 U5.G11 U5.G12 U5.G13 U5.H4 U5.H5 U5.H6 U5.H7 U5.H8 U5.H9 U5.H10 U5.H11 U5.H12 U5.H13 U5.J4 U5.J5 U5.J6 U5.J7 U5.J8 U5.J9 U5.J10 U5.J11 U5.J12 U5.J13 U5.K4 U5.K5 U5.K6 U5.K7 U5.K8 U5.K9 U5.K10 U5.K11 U5.K12 U5.K13 U5.L4 U5.L5 U5.L6 U5.L7 U5.L8 U5.L9 U5.L10 U5.L11 U5.L12 U5.L13 U6.4 U6.5 U6.7 U7.12 U7.13 U7.23 U8.3 U9.A1 U9.A16 U9.C8 U9.C10 U9.F11 U9.H13 U9.J2 U9.K14 U9.P8 U9.T1 U9.T16 U10.21 U10.27 U10.35 U10.40 U11.B3 U11.B10 U11.B12 U11.D3 U11.D7 U11.E11 U11.G11 U11.H10 U11.J4 U11.L7 U11.L11 U11.N11 U12.23 U12.30 U12.39 U12.44 U13.23 U13.30 U13.39 U13.44 U14.15 U15.23 U15.39 U16.3 U17.3 U18.8 U18.28 U18.44 U18.64 U18.80 U18.100 U18.116 U18.136 U19.3 U20.3 U21.4 U22.4 U22.13 U22.37 U22.63 U22.87 U23.4 U24.8 U24.9 U25.7 U26.3 U27.4 U27.45 U27.65 U27.93 U28.3 U29.3 U30.7 U31.3 U32.7 U33.7 U34.7 U35.3 U36.4 U37.3 U38.4 U39.3 U40.3 U41.3 U42.3 U43.16 U43.30 U43.73 U45.12 U46.D7 U46.E7 U46.E8 U46.E9 U46.E11 U46.F6 U46.F7 U46.F8 U46.F9 U46.F10 U46.F11 U46.G6 U46.G7 U46.G8 U46.G9 U46.G10 U46.G11 U46.G12 U46.H5 U46.H6 U46.H7 U46.H8 U46.H9 U46.H10 U46.H11 U46.H12 U46.J4 U46.J5 U46.J6 U46.J7 U46.J8 U46.J9 U46.J10 U46.J11 U46.J12 U46.J13 U46.K5 U46.K6 U46.K7 U46.K8 U46.K9 U46.K10 U46.K11 U46.K12 U46.L6 U46.L7 U46.L8 U46.L9 U46.L10 U46.L11 U46.M8 U46.M9 U46.M10 U46.N9 U46.P1 U47.4 U49.4 U49.5 U50.7 U52.3 U53.12 U54.7 U55.12 U55.13 U56.7 U57.7 U58.4 U58.5 U58.7 U59.5 U59.22 U59.26 U59.33 U60.3 U61.7 U61.9 U61.10 U61.12 U61.13 U62.4 U62.5 U62.7 U62.9 U62.10 U62.12 U62.13 U63.10 U63.20 U63.23 U63.24 U63.25 U63.26 U63.27 U63.28 U63.29 U63.30 U63.31 U63.32 U63.40 U63.44 U63.51 U63.61 U63.70 U63.82 U63.94 U64.2 U64.3 U65.24 U66.3 U66.6 U66.8 U66.12 U66.15 U66.16 U66.18 U66.19 U67.1 U67.10 U67.19 U68.18 U68.24 U69.4 U70.14 U71.12 U71.13 U71.23 U72.7 U73.4 U74.4 U75.2 U76.3 U77.5 U77.27 U78.3 U79.17 U80.1 U80.10 U80.19 U81.4 U82.8 U83.3 U84.2 U85.4 U86.11 U89.1 U90.4 U90.5 U90.9 U90.11 U90.20 U91.3 U93.1 U93.2 U93.3 X1.3 X4.3 X5.3 X6.3